# Altium PCB Sensor.PcbDoc (part 1 of 2) (continued)
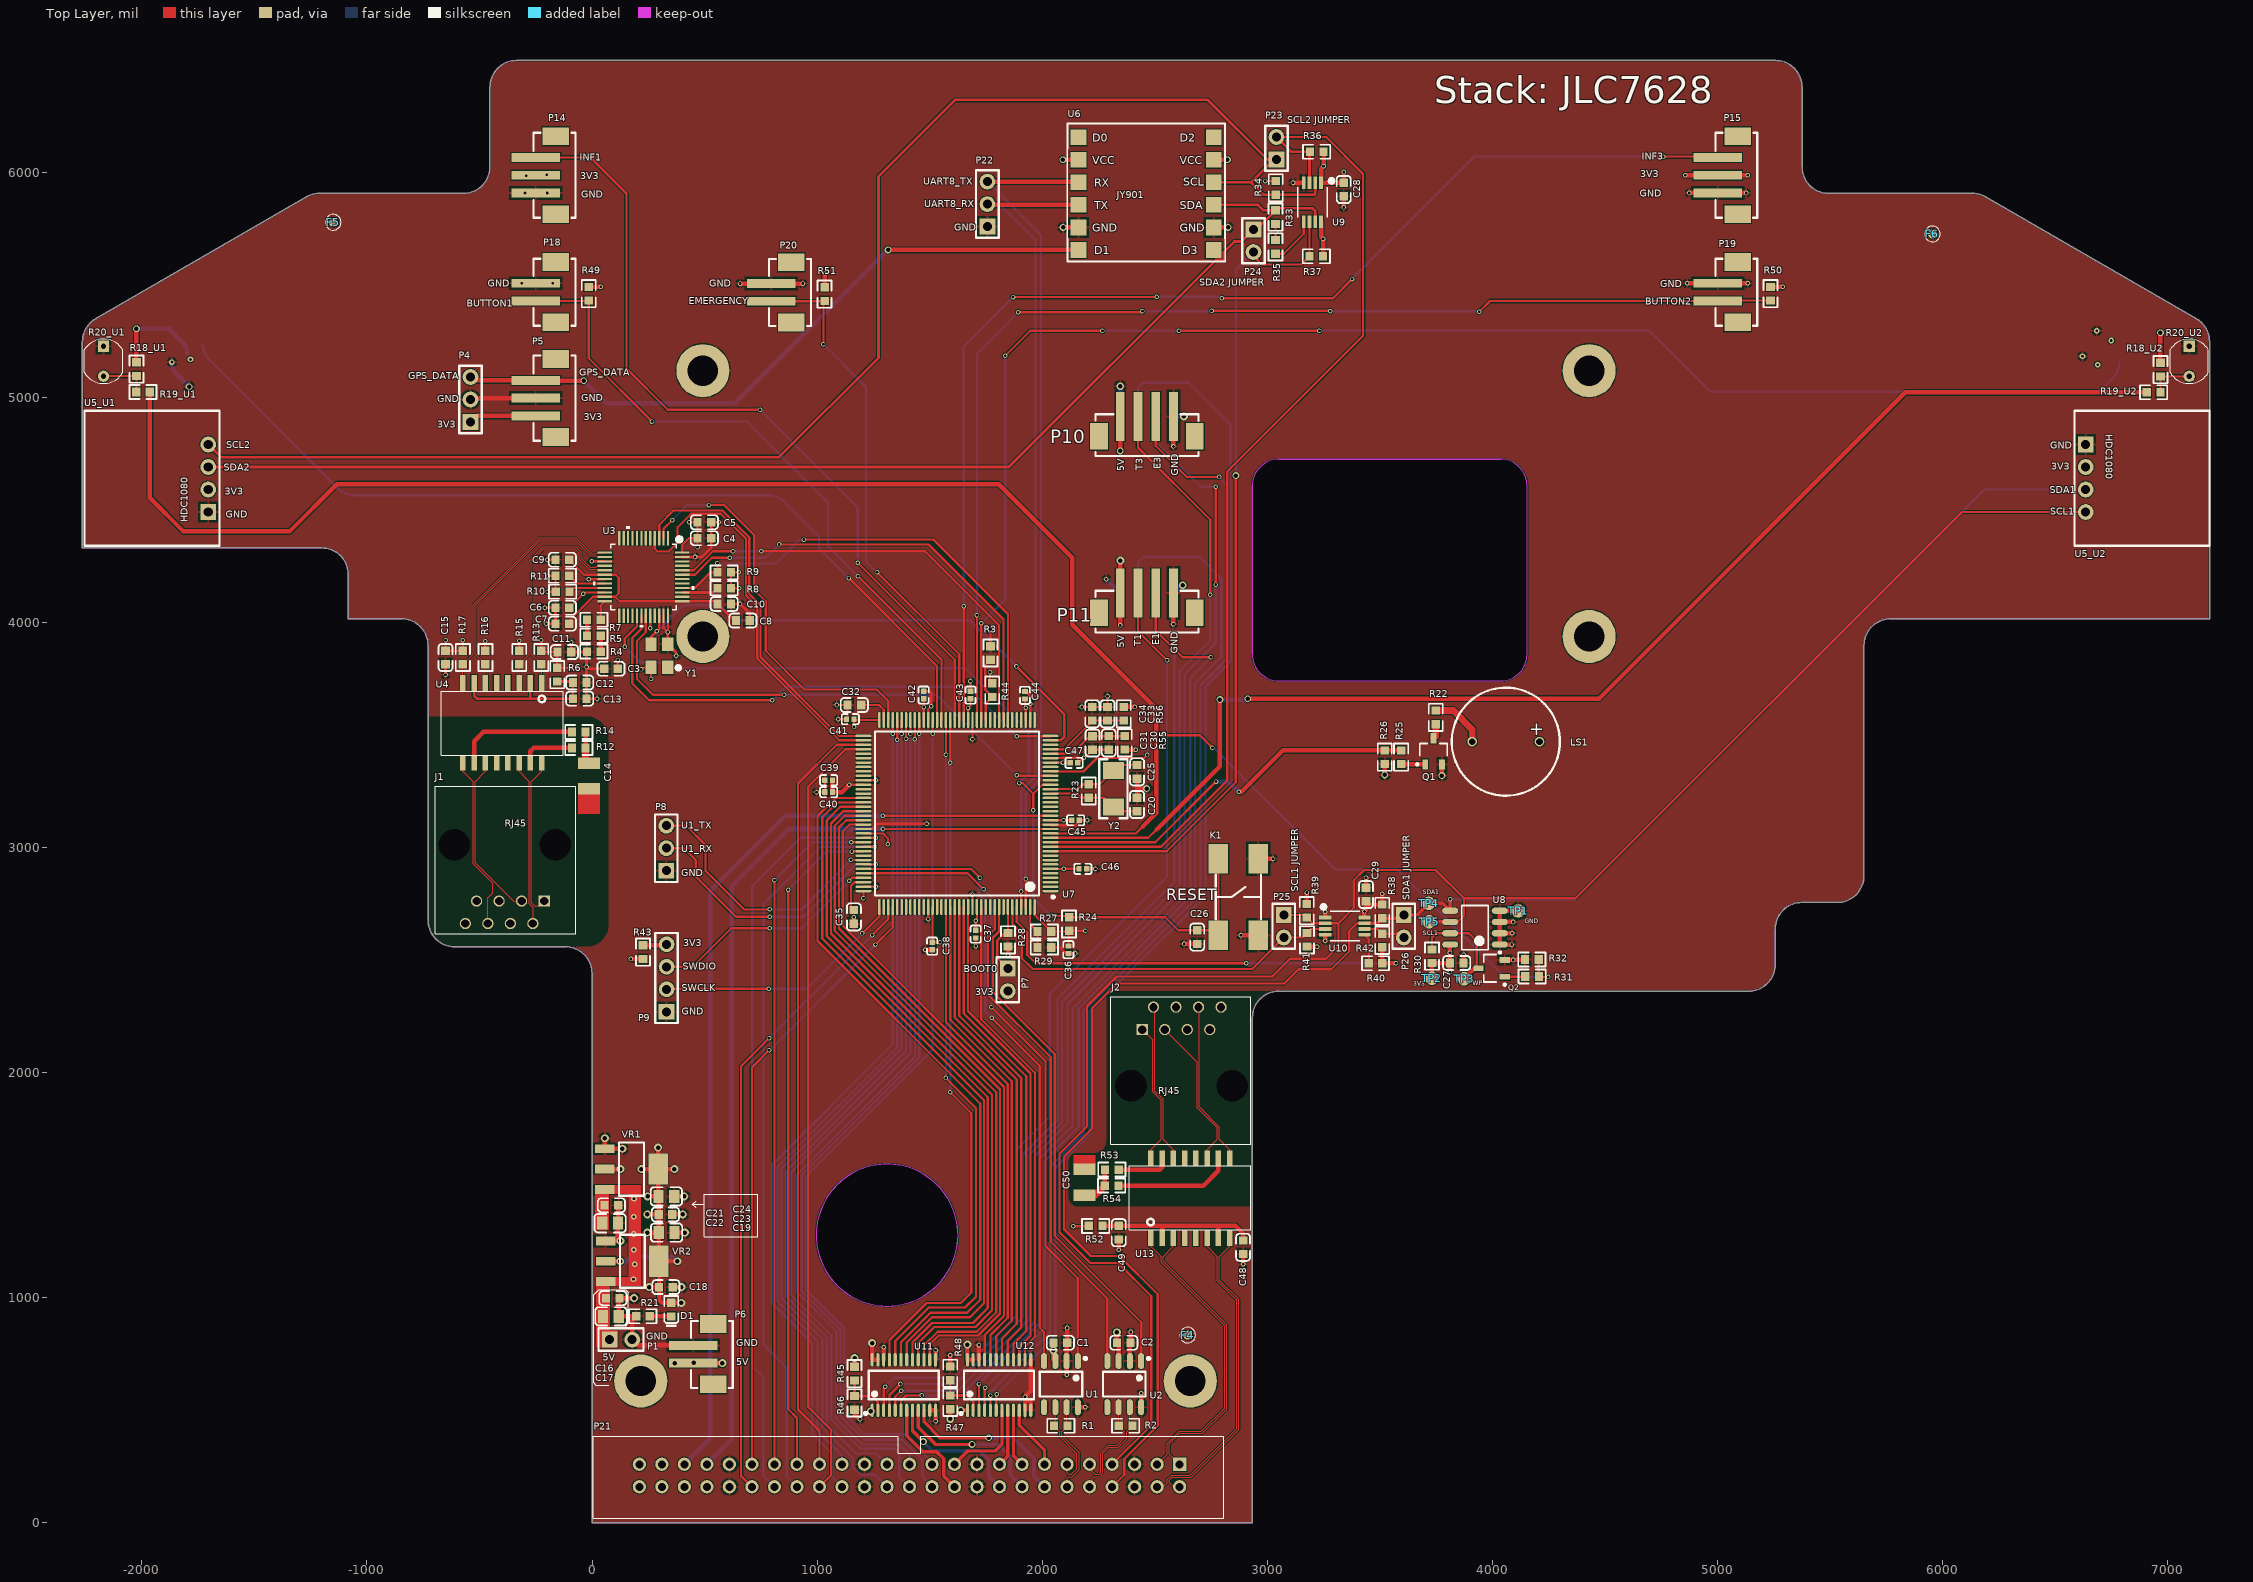
[diagram p0: Top Layer view]
## Part data
C1 C2 C3 C4 C5 C7 C8 C9 C11 C12 C13 C15 C16 C18 C21 C23 C26 C27 C31 C34 C48 C49: library part "0603 100nF (104) 10% 50V", "贴片电容", Package=0603, SuppliersPartNumber=C14663, ComponentLink1Description=供应商链接, ComponentLink1URL=http://www.szlcsc.com/product/details_15331.html, Supplier=LC
C6 C28 C29: library part "0603 10nF (103) 10% 50V", "贴片电容", Package=0603, SuppliersPartNumber=C57112, ComponentLink1Description=供应商链接, ComponentLink1URL=http://www.szlcsc.com/product/details_58143.html, Supplier=LC
C10: library part "0603 10uF (106) 10% 10V", "贴片电容", Package=0603, SuppliersPartNumber=C19702, ComponentLink1Description=供应商链接, ComponentLink1URL=http://www.szlcsc.com/product/details_20411.html, Supplier=LC
C14 C50: library part "CAP 1000pF ±10% 2000V (2kV) Ceramic Capacitor X7R 1210 (3225 Metric)", "CAP 1000pF ±10% 2000V (2kV) Ceramic Capacitor X7R 1210 (3225 Metric)", Manufacturer="Samsung Electro-Mechanics", Manufacturer Part Number=CL32B102KJFNNNE, Package=1210, Supplier 1 Part Number=1276-3316-6-ND, Component Type=Standard, Mounting Type=smt, Part Number="CAP 1000pF ±10% 2000V (2kV) Ceramic Capacitor X7R 1210 (3225 Metric)", Part URL-Supplier 1=https://www.digikey.com/product-detail/en/samsung-electro-mechanics/CL32B102KJFNNNE/1276-3316-6-ND/3893831, Price Break=1000, Supplier 1=Digikey, Unit Price-Supplier 1=0.34, Unit Price in Quantity=0.0884, Vendor/Distributor=Digikey
C17 C19 C22 C24: library part "0805 22uF (226) 20% 25V", "贴片电容", Package=0805, SuppliersPartNumber=C45783, ComponentLink1Description=供应商链接, ComponentLink1URL=http://www.szlcsc.com/product/details_46786.html, Supplier=LC
C20 C25: library part "0603 20pF (200) 5% 50V", "贴片电容", Package=0603, SuppliersPartNumber=C1648, ComponentLink1Description=供应商链接, ComponentLink1URL=http://www.szlcsc.com/product/details_2000.html, Supplier=LC
C30 C33: library part "0603 1uF (105) 10% 50V", "贴片电容", Package=0603, SuppliersPartNumber=C15849, ComponentLink1Description=供应商链接, ComponentLink1URL=http://www.szlcsc.com/product/details_16531.html, Supplier=LC
C32 C35: library part "0603 2.2uF (225) 10% 16V", "贴片电容", Package=0603, SuppliersPartNumber=C23630, ComponentLink1Description=供应商链接, ComponentLink1URL=http://www.szlcsc.com/product/details_24366.html, Supplier=LC
C36 C37 C38 C39 C40 C41 C42 C43 C44 C45 C46 C47: library part "0402 100nF (104) 10% 16V", "贴片电容", Package=0402, SuppliersPartNumber=C1525, ComponentLink1Description=供应商链接, ComponentLink1URL=http://www.szlcsc.com/product/details_1877.html, Supplier=LC
D1: library part "0603 绿灯", "发光二极管", Package=0603, SuppliersPartNumber=C72043, ComponentLink1Description=供应商链接, ComponentLink1URL=http://www.szlcsc.com/product/details_73152.html, Supplier=LC
J1 J2: library part 5556416-1, "RJ45 connector 180 degrees", Manufacturer=TE, Package=Header, Supplier 1 Part Number=A31428-ND, Component Type=Standard, Manufacturer Part Number=5556416-1, Mounting Type=thru-hole, Part Number=5556416-1, Pin Count=8, Price Break=1000, Supplier 1=Digikey, Unit Price-Supplier 1=1.04, Unit Price in Quantity=.5722, Vendor/Distributor=Digikey
LS1: library part Bell, "Electrical Bell", LatestRevisionDate=17-Jul-2002, LatestRevisionNote="Re-released for DXP Platform.", PackageReference=PIN2, Published=24-Mar-1999, Publisher="Altium Limited"
P1 P7 P23 P24 P25 P26: library part "CONN HEADER 2POS .100\" SNGL TIN", "CONN HEADER 2POS .100\" SNGL TIN", Manufacturer="Samtec Inc", Manufacturer Part Number=TSW-150-08-T-S, Package=header, Supplier 1 Part Number=SAM1050-50-ND, Component Type=Standard, Mounting Type=thru-hole, Part Number="CONN HEADER 2POS .100\" SNGL TIN", Pin Count=2, Price Break=1000, Supplier 1=Digikey, Unit Price-Supplier 1=2.24, Unit Price in Quantity=1.0189, Vendor/Distributor=Digikey
P4 P8 P22: library part "CONN HEADER 3POS .100\" SNGL TIN", "CONN HEADER 3POS .100\" SNGL TIN", Manufacturer="Samtec Inc", Manufacturer Part Number=TSW-150-08-T-S, Package=header, Supplier 1 Part Number=SAM1050-50-ND, Component Type=Standard, Mounting Type=thru-hole, Part Number="CONN HEADER 3POS .100\" SNGL TIN", Pin Count=3, Price Break=1000, Supplier 1=Digikey, Unit Price-Supplier 1=2.24, Unit Price in Quantity=1.0189, Vendor/Distributor=Digikey
P5 P14 P15 P16 P17: library part "CONN HEADER PH TOP 3POS 2MM SMD", "CONN HEADER PH TOP 3POS 2MM SMD", Manufacturer="JST Sales America Inc.", Package=header, Supplier 1 Part Number=455-1735-1-ND, Component Type=Standard, Manufacturer Part Number=B3B-PH-SM4-TB(LF)(SN), Mounting Type=SMD, Part Number="CONN HEADER PH TOP 3POS 2MM SMD", Pin Count=3, Price Break=1000, Supplier 1=Digikey, Unit Price-Supplier 1=.63, Unit Price in Quantity=.2972, Vendor/Distributor=Digikey
P6 P18 P19 P20: library part "CONN HEADER PH TOP 2POS 2MM SMD", "CONN HEADER PH TOP 2POS 2MM SMD", Manufacturer="JST Sales America Inc.", Package=header, Supplier 1 Part Number=455-1734-1-ND, Component Type=Standard, Manufacturer Part Number=B2B-PH-SM4-TB(LF)(SN), Mounting Type=SMD, Part Number="CONN HEADER PH TOP 2POS 2MM SMD", Pin Count=2, Price Break=500, Supplier 1=Digikey, Unit Price-Supplier 1=.55, Unit Price in Quantity=.3467, Vendor/Distributor=Digikey
P9: library part "CONN HEADER 4POS .100\" SNGL TIN", "CONN HEADER 4POS .100\" SNGL TIN", Manufacturer="Samtec Inc", Manufacturer Part Number=TSW-150-08-T-S, Package=header, Supplier 1 Part Number=SAM1050-50-ND, Component Type=Standard, Mounting Type=thru-hole, Part Number="CONN HEADER 4POS .100\" SNGL TIN", Pin Count=4, Price Break=1000, Supplier 1=Digikey, Unit Price-Supplier 1=2.24, Unit Price in Quantity=1.0189, Vendor/Distributor=Digikey
P10 P11 P12 P13: library part "CONN HEADER PH TOP 4POS 2MM SMD", "CONN HEADER PH TOP 4POS 2MM SMD", Manufacturer="JST Sales America Inc.", Package=header, Supplier 1 Part Number=455-1736-1-ND, Component Type=Standard, Manufacturer Part Number=B4B-PH-SM4-TB(LF)(SN), Mounting Type=SMD, Part Number="CONN HEADER PH TOP 4POS 2MM SMD", Pin Count=4, Price Break=1000, Supplier 1=Digikey, Unit Price-Supplier 1=.8, Unit Price in Quantity=.3637, Vendor/Distributor=Digikey
P21: "Header, 25-Pin, Dual row", LatestRevisionDate=17-Jul-2002, LatestRevisionNote="Re-released for DXP Platform.", Publisher="Altium Limited"
Q1 Q2: "MOS(场效应管)", Package=SOT-23, SuppliersPartNumber=C20917, ComponentLink1Description=供应商链接, ComponentLink1URL=http://www.szlcsc.com/product/details_21629.html, Supplier=LC
R1 R2: library part "0603 120Ω (1200) 1%", "贴片电阻", Package=0603, SuppliersPartNumber=C22787, ComponentLink1Description=供应商链接, ComponentLink1URL=http://www.szlcsc.com/product/details_23514.html, Supplier=LC
R3 R27 R28 R29 R30 R33 R34 R35 R36 R37 R38 R39 R40 R41 R42 R44 R46 R48 R49 R50 R51: library part "0603 10KΩ (1002) 1%", "贴片电阻", Package=0603, SuppliersPartNumber=C25804, ComponentLink1Description=供应商链接, ComponentLink1URL=http://www.szlcsc.com/product/details_26547.html, Supplier=LC
R4: library part "0603 10Ω (10R0) 1%", "贴片电阻", Package=0603, SuppliersPartNumber=C22859, ComponentLink1Description=供应商链接, ComponentLink1URL=http://www.szlcsc.com/product/details_23586.html, Supplier=LC
R5: library part "0603 160Ω (1600) 1%", "贴片电阻", Package=0603, SuppliersPartNumber=C22814, ComponentLink1Description=供应商链接, ComponentLink1URL=http://www.szlcsc.com/product/details_23541.html, Supplier=LC
R6 R22 R43 R45 R47 R52 R55 R56: library part "0603 0Ω (0R0) 1%", "贴片电阻", Package=0603, SuppliersPartNumber=C21189, ComponentLink1Description=供应商链接, ComponentLink1URL=http://www.szlcsc.com/product/details_21903.html, Supplier=LC
R7: library part "0603 4.7KΩ (4701) 1%", "贴片电阻", Package=0603, SuppliersPartNumber=C23162, ComponentLink1Description=供应商链接, ComponentLink1URL=http://www.szlcsc.com/product/details_23889.html, Supplier=LC
R8 R9 R10 R11: library part "0603 2KΩ (2001) 1%", "贴片电阻", Package=0603, SuppliersPartNumber=C22975, ComponentLink1Description=供应商链接, ComponentLink1URL=http://www.szlcsc.com/product/details_23702.html, Supplier=LC
R12 R14 R53 R54: library part "0603 75Ω (75R0) 1%", "贴片电阻", Package=0603, SuppliersPartNumber=C4275, ComponentLink1Description=供应商链接, ComponentLink1URL=http://www.szlcsc.com/product/details_4682.html, Supplier=LC
R13 R15 R16 R17: library part "0603 51Ω (51R0) 1%", "贴片电阻", Package=0603, SuppliersPartNumber=C23197, ComponentLink1Description=供应商链接, ComponentLink1URL=http://www.szlcsc.com/product/details_23924.html, Supplier=LC
R18_U1 R18_U2: library part "0603 47KΩ (4702) 1%", "贴片电阻", Package=0603, SuppliersPartNumber=C25819, ComponentLink1Description=供应商链接, ComponentLink1URL=http://www.szlcsc.com/product/details_26562.html, Supplier=LC
R19_U1 R19_U2 R24 R26 R32: library part "0603 100KΩ (1003) 1%", "贴片电阻", Package=0603, SuppliersPartNumber=C25803, ComponentLink1Description=供应商链接, ComponentLink1URL=http://www.szlcsc.com/product/details_26546.html, Supplier=LC
R21 R25 R31: library part "0603 330Ω (3300) 1%", "贴片电阻", Package=0603, SuppliersPartNumber=C23138, ComponentLink1Description=供应商链接, ComponentLink1URL=http://www.szlcsc.com/product/details_23865.html, Supplier=LC
R23: library part "0603 10MΩ (1005) 1%", "贴片电阻", Package=0603, SuppliersPartNumber=C7250, ComponentLink1Description=供应商链接, ComponentLink1URL=http://www.szlcsc.com/product/details_7726.html, Supplier=LC
U1 U2: library part CAN/TJA1050T/CM_[C6952], "CAN", Package=SOIC-8_150mil, SuppliersPartNumber=C6952, ComponentLink1Description=供应商链接, ComponentLink1URL=http://www.szlcsc.com/product/details_7424.html, Supplier=LC
U3: library part DP83848CVVX/NOPB, Manufacturer="Texas Instruments", Package=48-LQFP, Supplier 1 Part Number=DP83848CVVX/NOPBCT-ND, Component Type=Standard, Manufacturer Part Number=DP83848CVVX/NOPB, Mounting Type="fine pitch", Part Number=DP83848CVVX/NOPB, Pin Count=48, Price Break=500, Supplier 1=Digikey, Unit Price-Supplier 1=5.16, Unit Price in Quantity=3.2349
U4 U13: library part "MODULE XFRMR LAN 10/100B-TX SMD", "MODULE XFRMR LAN 10/100B-TX SMD", Manufacturer="Bel Fuse Inc.", Manufacturer Part Number=S558-5999-U7-F, Package=Non-standard, Supplier 1 Part Number=507-1463-1-ND, Component Type=Standard, DatasheetDocument=https://www.belfuse.com/resources/ICMs/lan-/S558-5999-U7-F.pdf, Mounting Type=smt, Part Number="MODULE XFRMR LAN 10/100B-TX SMD", Part URL-Supplier 1=https://www.digikey.sg/product-detail/zh/bel-fuse-inc/S558-5999-U7-F/507-1463-1-ND/2108047, Price Break=900, Supplier 1=Digikey, Unit Price-Supplier 1=3.6, Unit Price in Quantity=1.9439, Vendor/Distributor=Digikey
U7: "Imported", Manufacturer_Part_Number=stm32f4xxz1, C="Copyright (C) 2016 Accelerated Designs. All rights reserved", Copyright="Copyright (C) 2016 Accelerated Designs. All rights reserved", RefDes=RefDes, Type=Type, Vendor=STMicroelectronics
U8: "IC EEPROM 2KBIT 400KHZ 8SOIC", Manufacturer=STMicroelectronics, Package=8-SOIC, Supplier 1 Part Number=497-8552-1-ND, Component Type=Standard, Manufacturer Part Number=M24C02-WMN6TP, Mounting Type=smt, Part Number=M24C02-WMN6TP, Pin Count=8, Price Break=1000, Supplier 1=Digkey, Unit Price-Supplier 1=.58, Unit Price in Quantity=.2014, Vendor/Distributor=Digikey
U9 U10: "Imported", Built_By=EMA_UL_Team, Manufacturer_Part_Number=ltc4307ims8#pbf, RefDes=RefDes, Type=Type, Vendor="Linear Technology"
U11 U12: library part SN74LVC4245APWRG4_[C7859], "74系列逻辑芯片", Package=TSSOP-24, SuppliersPartNumber=C7859, ComponentLink1Description=供应商链接, ComponentLink1URL=http://www.szlcsc.com/product/details_8336.html, Supplier=LC
VR1 VR2: library part "SOT-223 AMS1117-3.3", "低压差线性稳压(LDO)", Package=SOT-223, SuppliersPartNumber=C6186, ComponentLink1Description=供应商链接, ComponentLink1URL=http://www.szlcsc.com/product/details_6652.html, Supplier=LC
Y1: library part ASEM1-50.000MHZ-LC-T, "OSC MEMS 50.000MHZ CMOS SMD", Manufacturer="Abracon LLC", Package=SMD3225, Supplier 1 Part Number=535-9774-1-ND, Component Type=Standard, Manufacturer Part Number=ASEM1-50.000MHZ-LC-T, Mounting Type=smt, Part Number=ASEM1-50.000MHZ-LC-T, Price Break=500, Supplier 1=Digikey, Unit Price-Supplier 1=1.26, Unit Price in Quantity=.8712, Vendor/Distributor=Digikey
Y2: library part "SMD-5032_2P 8MHz 20ppm 20pF", "贴片晶振", Package=SMD-5032_2P, SuppliersPartNumber=C115962, ComponentLink1Description=供应商链接, ComponentLink1URL=http://www.szlcsc.com/product/details_117214.html, Supplier=LC
F1 F2 F3 F4 F5 F6: Component Type="Standard (No BOM)", Part Number="Fiducial, .040\""
TP1 TP2 TP3 TP4 TP5: Component Type="Standard (No BOM)", Part Number="Test Point, 60mil"

## Free pads (board coordinates)
  round 236.22 hole 135: 0(216.54,629.92) 0(492.13,3937.01) 0(492.13,5118.11) 0(2657.48,629.92) 0(4429.13,3937.01) 0(4429.13,5118.11)

## Via types
v1: diameter 20, hole 12, Top Layer to Bottom Layer, tented both sides, 228 vias
v2: diameter 35, hole 20, Top Layer to Bottom Layer, tented both sides, 34 vias
v3: diameter 30, hole 20, Top Layer to Bottom Layer, tented both sides, 19 vias
v4: diameter 25, hole 12, Top Layer to Bottom Layer, tented both sides, 18 vias

## Nets (pads, with @x,y where several pads share a name; then routed paths per layer and width w, separated by ;. In a path a pad name is that pad's centre, name@x,y a point inside that pad or via, vN(x,y) a via of type N, cw(c..) or ccw(c..) an arc to the next point about the centre after c; other vN are vias at no path point)
3V3: C3.2 C4.2 C5.2 C6.2 C11.2 C15.2 C18.2 C19.2 C23.2 C24.2 C27.1 C28.2 C29.2 C36.2 C37.2 C38.2 C39.2 C40.2 C41.2 C42.2 C43.2 C44.2 C45.2 C46.2 C47.2 D1.A LS1.1 P4.1 P5.1 P7.2 P14.2 P15.2 P16.2 P17.2 R6.2 R8.2 R9.2 R10.1 R11.1 R13.1 R15.2 R16.1 R17.2 R18_U1.2 R18_U2.2 R24.2 R27.2 R30.2 R33.2 R34.2 R35.2 R36.2 R37.2 R38.2 R39.2 R40.2 R41.2 R42.2 R43.2 R44.2 R49.2 R50.2 R51.2 R52.2 R55.1 R56.1 TP2.0 U3.22 U3.32 U3.48 U5_U1.2 U5_U2.2 U6.2 U6.11 U7.6 U7.17 U7.30 U7.39 U7.52 U7.62 U7.72 U7.84 U7.95 U7.108 U7.121 U7.131 U7.144 U8.8 U9.1 U9.8 U10.1 U10.8 U11.23 U11.24 U12.23 U12.24 VR1.2 VR2.2 Y1.4 | length 8051.8
  Top Layer w10: v1(-651,3921) C15.2@-651,3874.31 R17.2@-574,3874.32 v1(-574,3921) ; R16.1@-474,3874.31 v1(-474,3916) ; R15.2@-324,3874.32 v1(-324,3918) ; v1(-226,3921) R13.1@-226,3874.31 -219.69,3868 C11.2@-153.31,3868 -155,3866.31 R6.2@-155,3798.32 v1(-98.68,3798.32) ; v1(-198,4136) R10.1@-161.31,4136 -162.31,4137 R11.1@-162.31,4207 v1(-197,4207) ; C6.2@-101.68,4065 v1(-39.68,4127) -33.58,4133.1 U3.22@57,4133.1 ; v1@114,3833 v1(114.32,3832.69) C3.2@114.32,3794 ; v1(219,3791) 228,3800 Y1.4@262,3800 v1(262,3750) ; v1(258.53,3974.53) U3.32@258.53,4030 ; U3.48@401,4310.27 401,4344 431,4374 C4.2@468.69,4374 ; v1(432,4445) C5.2@468.69,4445 C4.2@468.69,4374 ; v1(468.69,4333.69) C4.2@468.69,4374 ; v1(651,4222) R9.2@617.31,4222 R8.2@617.31,4152 v1(654,4152) ; v1(1142.95,3278.95) U7.84@1205.65,3278.95 ; v1(1163.73,3535.27) C41.2@1163.73,3570 1167.38,3566.35 U7.72@1276.51,3566.35 ; v1(1205.65,2774.35) U7.108@1205.65,2806.51 ; U7.95@1205.65,3062.42 1292.58,3062.42 1314,3041 v1(1314,3015) ; C42.2@1473,3660.27 1473,3624 v1(1473.36,3623.64) U7.62@1473.36,3566.35 ; U7.121@1512.73,2735.65 1511,2733.91 1511,2690.87 1512.05,2689.82 1512.05,2579.78 C38.2@1511,2578.73 v1(1545.27,2578.73) ; U7.52@1670.21,3566.35 v1(1670.21,3619.21) 1681,3630 C43.2@1681,3660.27 ; C37.2@1704,2631.73 v1(1704,2675) 1709.58,2680.58 U7.131@1709.58,2735.65 ; R44.2@1768,3729.32 v1(1768,3778) ; C44.2@1923,3659.27 1923,3624 v1(1926.12,3620.88) U7.39@1926.12,3566.35 ; U7.144@1965.49,2735.65 1965.49,2700.83 R27.2@2039.32,2627 R24.2@2116.32,2627 ; U7.6@2036.35,2904.94 v1(2094.94,2904.94) 2095,2905 C46.2@2163.27,2905 ; U7.17@2036.35,3121.47 v1(2094.47,3121.47) 2094.95,3121 C45.2@2131.27,3121 ; U7.30@2036.35,3377.38 v1(2091.62,3377.38) 2093,3376 C47.2@2124.27,3376 ; C36.2@2116,2562.73 2116,2626.68 R24.2@2116.32,2627 ; v1(2137,1317) 2204.68,1317 R52.2@2206.68,1319 ; v1(2191.68,2629.68) R24.2@2119,2629.68 R24.2@2116.32,2627 ; v1(2990.32,5960.32) R34.2@3037,5960.32 ; R35.2@3036,5698.32 v1(3036,5734) R33.2@3036,5769.68
  Top Layer w20: R18_U1.2@-2024,5155.32 v3(-2024,5304) ; P4.1@-540,4890 -512.48,4917.52 P5.1@-250,4917.52 ; R49.2@-15,5490.32 v1(38.68,5490.32) ; VR1.2@56.89,1571 v2(126,1571) ; VR2.2@60.89,1162 v2(125,1162) ; v1(171.32,2504.68) R43.2@226,2504.68 ; v2(219,1571) VR1.2@293.11,1571 ; v2(245,1289) C19.2@295.96,1289 ; v2(246,1370) C23.2@295.69,1370 ; v2(247,1450) C24.2@294.96,1450 ; v2(253,1047) C18.2@297.69,1047 ; v2(293.11,1667.11) VR1.2@293.11,1571 ; VR1.2@294.96,1569.15 294.96,1463 295.69,1462.28 C23.2@295.69,1370 ; VR2.2@297.69,1161.43 C18.2@297.69,1047 ; v2(366,1571) VR1.2@293.11,1571 ; v2(379,1162) VR2.2@297.11,1162 297.11,1287.85 C19.2@295.96,1289 ; v2(396.68,977.32) D1.A@352,977.32 310.68,977.32 297.69,990.32 C18.2@297.69,1047 ; R51.2@1033,5488.32 v1(1033,5550) ; C39.2@1067.73,3299 C40.2@1067.73,3246 1110,3246 v1(1142.95,3278.95) ; v2(1244.25,798.25) U11.24@1244.25,724.2 U11.23@1269.84,724.2 ; v2(1667.25,791.75) U12.24@1667.25,724.2 U12.23@1692.84,724.2 ; v3(2091.63,6054.63) U6.2@2161.26,6054.63 ; R56.1@2362,3624.31 v1(2410.31,3624.31) ; R55.1@2366,3434.69 v1(2415.69,3434.69) ; U6.11@2761.26,6054.63 v3(2822.37,6054.63) ; R39.2@3175,2749.32 v1(3175,2800) ; R41.2@3176,2559.68 v1(3220.68,2559.68) ; U9.8@3238.39,5779 3238.39,5712.61 v1(3247.32,5703.68) R37.2@3247.32,5626 ; R36.2@3249.32,6091 v1(3249.32,6025.68) 3238.39,6014.76 U9.1@3238.39,5953 3338.69,5953 C28.2@3339,5953.31 v1(3339,6001) ; U10.1@3257,2689.39 v1(3257,2714) ; U10.8@3431,2689.39 v1(3431,2716) 3438,2723 C29.2@3438,2760.69 3452.37,2746.32 R38.2@3510,2746.32 v1(3510,2795) ; R42.2@3510,2556.68 3510,2486.32 R40.2@3510.32,2486 v1(3571,2486) ; TP2.0@3731,2419 R30.2@3731,2486.68 3810.37,2486.68 C27.1@3810.69,2487 ; v1(3810.69,2445.69) C27.1@3810.69,2487 ; U8.8@3811.76,2569 3810.69,2567.92 v1(3810.69,2532) C27.1@3810.69,2487 ; v1(4855.74,5986.26) P15.2@5000,5986.26 v1(5134.26,5986.26) ; R50.2@5235,5490.32 v1(5289.68,5490.32) ; R18_U2.2@6967,5153.32 v3(6967,5287) ; C23.2@295.69,1370 295.96,1369.72 C19.2@295.96,1289
  Bottom Layer w10: v1(-474,3916) v1@-469,3921 ; v1(-98.68,3798.32) v1@-95,3802 ; v1(262,3750) v1@263,3749 ; v1(2191.68,2629.68) v1@2192,2630
  Bottom Layer w20: v3(-2024,5304) -1879,5304 -1817.68,5242.68 cw(c-1864.73,5195.63) P16.2@-1798.19,5195.63 ; v2(125,1162) 154,1162 174,1182 359,1182 v2(379,1162) v2@382,1165 ; v2(126,1571) v2@127,1570 ; v3@2087,6050 v3(2091.63,6054.63) ; v3(2822.37,6054.63) v3@2823,6054 ; v1(3571,2486) v1@3572,2485 ; v1@3806,2441 v1(3810.69,2445.69)
  other v4: 6688,5145 -1784,5168 6749,5252 -292,5984 -202,5989
5V: C1.2 C2.2 C16.2 C17.2 C21.2 C22.2 P1.1 P6.1 P10.1 P11.1 P12.1 P13.1 P21.44 P21.46 P21.47 P21.48 P21.49 P21.50 R45.2 R47.2 U1.3 U2.3 U11.1 U12.1 VR1.3 VR2.3 | length 1096.6
  Top Layer w20: v2(366.52,709.52) P6.1@449,709.52 v2(578.52,709.52) ; R45.2@1166,693.32 v2(1166,732) ; v2(1238,495) 1238,493.95 1238.95,493 1245,499.05 U11.1@1244.25,499.8 ; v2(1591,462) R47.2@1591,504.68 ; v2(1636.8,499.8) U12.1@1667.25,499.8 ; C1.2@2049.69,800 v2(2049.69,766) 2049.69,726.68 U1.3@2058,718.36 ; v2(2331.69,846.32) C2.2@2331.69,800 2339,792.69 U2.3@2339,718.36 ; v1(2346.52,3986.48) P11.1@2346.52,4131 v2(2346.52,4274.48) ; v3(2346.52,4761.48) P10.1@2346.52,4915
  Bottom Layer w20: v3(2346.52,4761.48) v3@2347,4761 ; P13.1@2582.48,4130 2617.48,4165 v2(2624,4165) ; P12.1@2582.48,4915 v2(2629,4915)
  other v2: 451,711
  other v4: 184,1082 189,1149 185,1213 185,1283 185,1359 186,1439
ADC1: P21.43 U7.15 | length 4135.2
  Top Layer w10: v1(1291.9,3082.1) U7.15@2036.35,3082.1
  Bottom Layer w20: P21.43@510,260 621,371 621,2829 874.1,3082.1 v1(1291.9,3082.1)
ADC2: P21.45 U7.18 | length 4245
  Top Layer w10: v1(1290.84,3141.16) U7.18@2036.35,3141.16
  Bottom Layer w20: P21.45@410,260 525,375 525,2808 858.16,3141.16 v1(1290.84,3141.16)
B_RD_N: P21.2 U13.8 | length 1370.1
  Top Layer w4.96: P21.2@2610,160 2583.48,160 2564.48,179 2564.48,189.48 2578,203 2661.71,203 2872,413.29 2872,993 2786.48,1078.52 2786.48,1182 2832,1227.52 U13.8@2832,1265
B_RD_P: P21.4 U13.6 | length 1370.1
  Top Layer w4.96: P21.4@2510,160 2536.52,160 2555.52,179 2555.52,193.19 2574.29,211.96 2658,211.96 2863.04,417 2863.04,989.29 2777.52,1074.81 2777.52,1182 2732,1227.52 U13.6@2732,1265
B_RX_N: J2.6 U13.9 | length 728.2
  Top Layer w4.96: J2.6@2694,2291 2696.96,2288.04 2696.96,1847.23 2786.48,1757.71 2786.48,1703 2832,1657.48 U13.9@2832,1620
B_RX_P: J2.3 U13.11 | length 686.6
  Top Layer w4.96: J2.3@2544,2191 2688,2047 2688,1843.52 2777.52,1754 2777.52,1703 2732,1657.48 U13.11@2732,1620
B_TD_N: P21.1 U13.3 | length 1323.6
  Top Layer w4.96: U13.3@2582,1265 2582,1227.52 2536.48,1182 2536.48,1161.52 2819,879 2819,505.29 2710.75,397.04 2611.04,397.04 2564.48,350.48 2564.48,305.52 P21.1@2610,260
B_TD_P: P21.3 U13.1 | length 1323.6
  Top Layer w4.96: U13.1@2482,1265 2482,1227.52 2527.52,1182 2527.52,1157.81 2810.04,875.29 2810.04,509 2707.04,406 2607.33,406 2555.52,354.19 2555.52,305.52 P21.3@2510,260
B_TX_N: J2.2 U13.14 | length 707.5
  Top Layer w4.96: J2.2@2494,2291 2498.96,2286.04 2498.96,1918.04 2536.48,1880.52 2536.48,1703 2582,1657.48 U13.14@2582,1620
B_TX_P: J2.1 U13.16 | length 624.5
  Top Layer w4.96: J2.1@2444,2191 2490,2145 2490,1914.33 2527.52,1876.81 2527.52,1703 2482,1657.48 U13.16@2482,1620
BOOT0: P7.1 R28.2 U7.138 | length 321.9
  Top Layer w10: P7.1@1847,2462 1800,2509 1800,2587 1833.32,2620.32 R28.2@1848,2620.32 1848,2735.02 U7.138@1847.38,2735.65
BOOT1: R3.1 R44.1 U7.48 | length 301.8
  Top Layer w10: U7.48@1748.95,3566.35 1748.95,3639.64 R44.1@1778,3668.69 1746.9,3699.79 1746.9,3810.58 R3.1@1770,3833.69
BUTTON1: P18.1 R49.1 U7.58 | length 2995.5
  Top Layer w10: P18.1@-250,5427.52 -17.17,5427.52 R49.1@-15,5429.69 -15,5173 v1(266,4892) ; v1(1181,4205) 1552.1,3833.9 U7.58@1552.1,3566.35
  Bottom Layer w10: v1(266,4892) 688,4892 1048,4532 1048,4338 v1(1181,4205)
BUTTON2: P19.1 R50.1 U7.50 | length 5254.3
  Top Layer w10: U7.50@1709.58,3566.35 v1(1709.58,4031.42) ; v1(1893,5378) 2441,5378 v1(2445,5382) ; v1(2752,5384) 3277,5384 v1(3279,5382) ; v1(3941,5380) 3988.52,5427.52 P19.1@5000,5427.52 5002.17,5429.69 R50.1@5235,5429.69
  Bottom Layer w10: v1(1709.58,4031.42) 1709.58,5194.58 v1(1893,5378) ; v1(2445,5382) 2750,5382 v1(2752,5384) ; v1(3279,5382) 3939,5382 v1(3941,5380)
BUTTON3: P21.23 U7.60 | length 3874.5
  Top Layer w10: v1(1512.73,3506.27) U7.60@1512.73,3566.35
  Bottom Layer w10: P21.23@1510,260 1510,269 1385,394 1209,394 1119,484 1119,865 950,1034 950,1540 1512.73,2102.73 v1(1512.73,3506.27)
BUTTON4: P21.24 U7.63 | length 3960.5
  Top Layer w10: v1(1453.68,3505.32) U7.63@1453.68,3566.35
  Bottom Layer w10: v1(1453.68,3505.32) 1453.68,2068.68 931,1546 931,1029 1104,856 1104,475 1210,369 1377,369 1468,278 1468,202 P21.24@1510,160
CAN1_N: P21.11 R1.1 U1.6 | length 413.3
  Top Layer w3.98: U1.6@2058,513.64 2058,437.31 R1.1@2051.69,431 2077.01,405.68 2077.01,383.88 2154,306.89 2154,239.99 2129,214.99 2118,214.99 2110,222.99 P21.11@2110,260
CAN1_P: P21.12 R1.2 U1.7 | length 429
  Top Layer w3.98: U1.7@2108,513.64 2108,435.32 R1.2@2112.32,431 2086.99,405.68 2086.99,388.01 2163.98,311.02 2163.98,235.86 2133.13,205.01 2118,205.01 2110,197.01 P21.12@2110,160
CAN1_RX: U1.4 U7.103 | length 2801.7
  Top Layer w10: U7.103@1205.65,2904.94 1684.06,2904.94 v1(1723,2866) ; v1(1775,2243) 1989,2029 1989,867 2008,848 U1.4@2008,718.36
  Bottom Layer w10: v1(1723,2866) 1720,2863 1720,2792 1746,2766 1746,2272 v1(1775,2243)
CAN1_TX: U1.1 U7.104 | length 2832.1
  Top Layer w10: U7.104@1205.65,2885.25 1667.75,2885.25 v1(1739,2814) ; v1(1774,2290) 2014,2050 2014,1230 2158,1086 U1.1@2158,718.36
  Bottom Layer w10: v1(1739,2814) 1774,2779 v1(1774,2290)
CAN2_N: P21.9 R2.1 U2.6 | length 452.1
  Top Layer w3.98: P21.9@2210,260 2210,238.99 2234,214.99 2250,214.99 2259,223.99 2259,312.13 2291.87,345 2333.01,345 2365.01,377 2365.01,405.68 R2.1@2339.69,431 2339,431.69 U2.6@2339,513.64
CAN2_P: P21.10 R2.2 U2.7 | length 473.1
  Top Layer w3.98: P21.10@2210,160 2210,181.01 2234,205.01 2254.13,205.01 2268.98,219.86 2268.98,308 2296,335.02 2337.14,335.02 2374.99,372.87 2374.99,405.68 R2.2@2400.32,431 2389,442.32 U2.7@2389,513.64
CAN2_RX: U2.4 U7.135 | length 2249.8
  Top Layer w10: U7.135@1788.32,2735.65 1788.32,2636.32 1758,2606 1758,2347 2037,2068 2037,1249 2289,997 U2.4@2289,718.36
CAN2_TX: U2.1 U7.136 | length 2301
  Top Layer w10: U7.136@1808.01,2735.65 1808.01,2627.01 1781,2600 1781,2357 2055,2083 2055,1275 2439,891 U2.1@2439,718.36
"CRS  _DV": R9.1 U3.40 U7.43 | length 2166.9
  Top Layer w10: U3.40@401,4152.79 456.79,4152.79 526,4222 R9.1@556.68,4222 556.68,4261.68 v1(557,4262) ; v1(940,4368) 1517,4368 1847.38,4037.62 U7.43@1847.38,3566.35
  Bottom Layer w10: v1(557,4262) 817,4262 923,4368 v1(940,4368)
EARTH_GND1: C50.1
EARTH_GND2: C14.1
ECHO_CH1: P11.3 U12.3 | length 4233.4
  Top Layer w10: U12.3@1718.43,499.8 v1(1718.43,616.57) ; P11.3@2504,4131 2504,3964 2623,3845 v1(2749,3845)
  Bottom Layer w10: v1(1718.43,616.57) 1989,887.13 1989,1618 2135,1764 2135,2286 2657,2808 2657,3753 v1(2749,3845)
ECHO_CH2: P13.3 U12.4 | length 4685.5
  Top Layer w10: U12.4@1744.02,499.8 1744.02,597.02 v1(1747,600)
  Bottom Layer w10: v1(1747,600) 2011,864 2011,1607 2162,1758 2162,2286 2678,2802 2678,3730 2795,3847 2795,4194 2698,4291 2451,4291 2425,4265 P13.3@2425,4130
ECHO_CH3: P10.3 U12.5 | length 5062.2
  Top Layer w10: U12.5@1769.61,499.8 v1(1769.61,565.39) ; P10.3@2504,4915 2504,4784 2642,4646 v1(2786,4646)
  Bottom Layer w10: v1(1769.61,565.39) 1769.61,581.61 2034,846 2034,1582 2184,1732 2184,2274 2703,2793 2703,3720 2816,3833 2816,4616 v1(2786,4646)
ECHO_CH4: P12.3 U12.6 | length 5434.1
  Top Layer w10: U12.6@1795.2,499.8 1795.2,568.2 v1(1798,571)
  Bottom Layer w10: v1(1798,571) 2059,832 2059,1576 2210,1727 2210,2270 2725,2785 2725,3715 2836,3826 2836,4878 2650,5064 2446,5064 2425,5043 P12.3@2425,4915
ECHO_CH5: P21.21 U12.7 | length 398.6
  Top Layer w15: P21.21@1610,260 1669,319 1791,319 1820.8,348.8 U12.7@1820.8,499.8
ECHO_CH6: P21.17 U12.8 | length 254.9
  Top Layer w15: P21.17@1810,260 1846.39,296.39 U12.8@1846.39,499.8
ECHO_CH7: P21.15 U12.9 | length 255.5
  Top Layer w15: U12.9@1871.98,499.8 1871.98,298.02 P21.15@1910,260
ECHO_CH8: P21.13 U12.10 | length 286.4
  Top Layer w15: U12.10@1897.57,499.8 1897.57,434.43 2010,322 P21.13@2010,260
EMERGENCY: P20.1 R51.1 U7.54 | length 2347.3
  Top Layer w10: P20.1@796,5426.52 1031.83,5426.52 1028,5422.69 v1(1028,5235) ; v1(1266,4223) 1630.84,3858.16 U7.54@1630.84,3566.35
  Bottom Layer w10: v1(1028,5235) 1217,5046 1217,4272 v1(1266,4223)
FAN1_CTL: P21.31 U7.68 | length 3645.7
  Top Layer w10: v1(1355.25,3478.25) U7.68@1355.25,3566.35
  Bottom Layer w10: P21.31@1110,260 1110,300 1001,409 1001,808 823,986 823,1579 1355.25,2111.25 v1(1355.25,3478.25)
FAN1_PWM: P21.33 U7.75 | length 3425.3
  Top Layer w10: P21.33@1010,260 1010,408 915,503 915,3284 1087.12,3456.12 U7.75@1205.65,3456.12
FAN2_CTL: P21.32 U7.69 | length 3757.4
  Top Layer w10: v1(1335.57,3504.57) U7.69@1335.57,3566.35
  Bottom Layer w10: P21.32@1110,160 1062,208 1062,311 977,396 977,799 799,977 799,1590 1335.57,2126.57 v1(1335.57,3504.57)
FAN2_PWM: P21.34 U7.76 | length 3488.1
  Top Layer w10: P21.34@1010,160 1061,211 1061,413 960,514 960,3271 1125.43,3436.43 U7.76@1205.65,3436.43